# Altium PCB ControlBoard.PcbDoc (part 1 of 3) (continued)
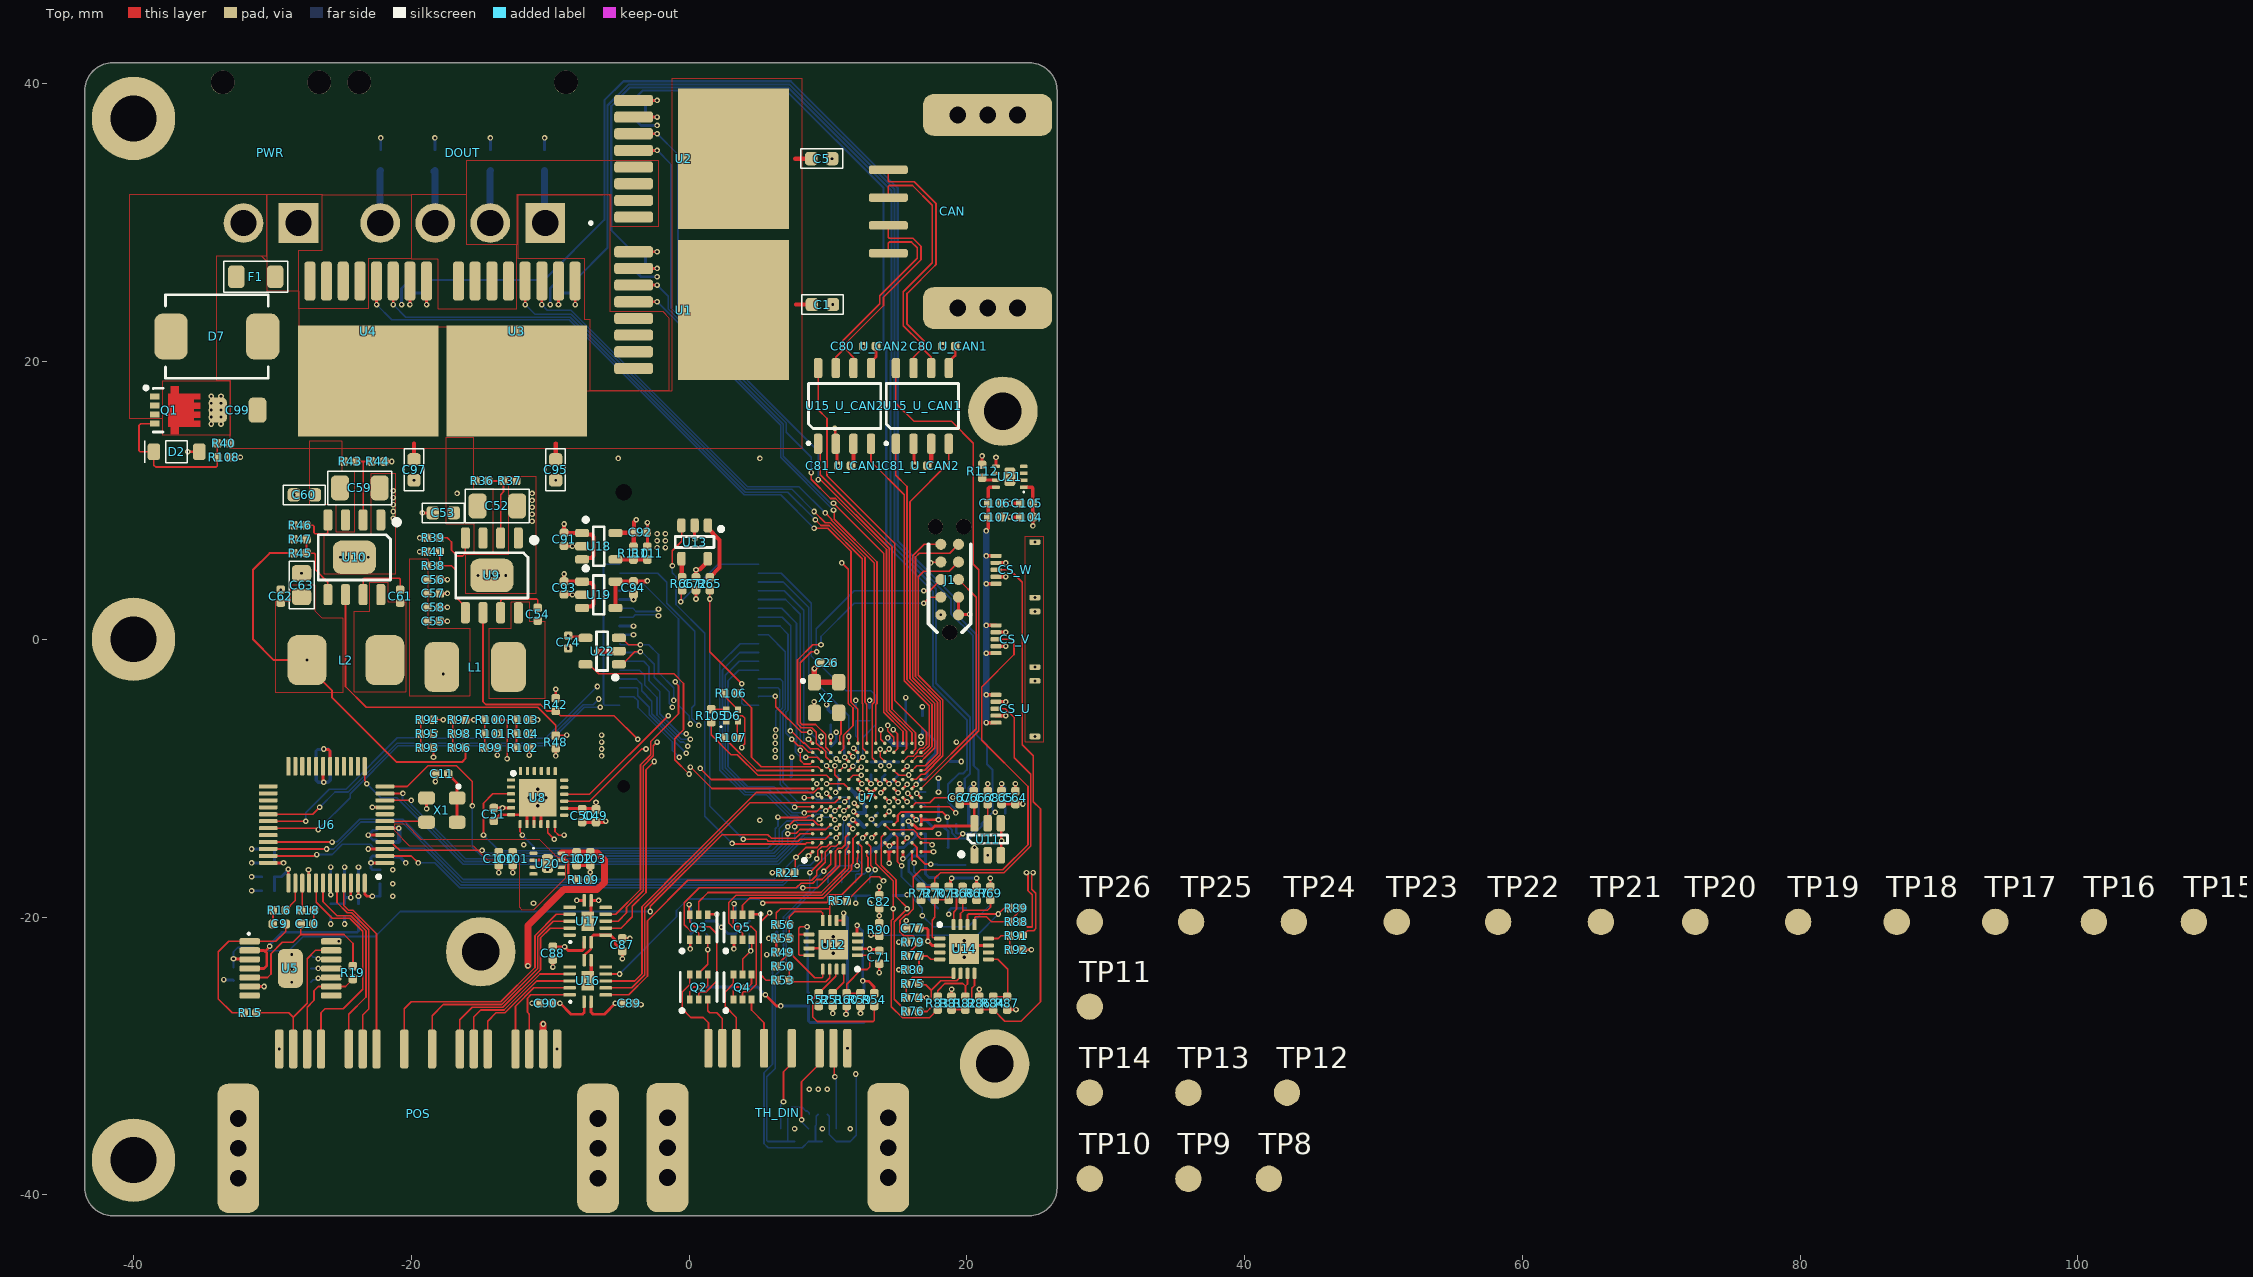
[diagram p0: Top view]
## Components (designator, comment, footprint, x,y, rotation, side; value= is the part's Value field where it differs from the comment) (continued)
PWR "DF63-2P-3.96DS" HRS_DF63-2P-3.96DS -30.1,35.5 r0 top locked
Q1 "NVTFS5C680NLTAG" WDFN8 -37,16.5 r270 top
Q2 "SI1967DH-T1-E3" SOT-363 0.694,-25.041 r90 top
Q3 "2N7002DWK-7" SOT-363 0.694,-20.741 r90 top
Q4 "SI1967DH-T1-E3" SOT-363 3.844,-25.042 r90 top
Q5 "2N7002DWK-7" SOT-363 3.844,-20.742 r90 top
R1 "30kΩ" R0402 6.6,-35.7 r270 bottom
R2 "30kΩ" R0402 7.6,-35.7 r270 bottom
R3 "30kΩ" R0402 8.6,-35.7 r270 bottom
R4 "30kΩ" R0402 9.6,-35.7 r270 bottom
R5 "30kΩ" R0402 10.6,-35.7 r270 bottom
R6 "30kΩ" R0402 11.6,-35.7 r270 bottom
R7 "1kΩ" R0402 -3.6,27.9 r0 bottom
R8 "2kΩ" R0402 -3.6,26.7 r0 bottom
R9 "1kΩ" R0402 -3.6,38.8 r0 bottom
R10 "2kΩ" R0402 -3.6,37.6 r0 bottom
R11 "1kΩ" R0402 -8.2,25.4 r270 bottom
R12 "2kΩ" R0402 -9.4,25.4 r270 bottom
R13 "1kΩ" R0402 -18.9,25.4 r270 bottom
R14 "2kΩ" R0402 -20.1,25.4 r270 bottom
R15 "1kΩ" R0402 -31.6,-26.9 r180 top
R16 "1kΩ" R0402 -29.5,-19.5 r180 top
R17 "0Ω" R0402 -23.8,-19.5 r270 bottom
R18 "1kΩ" R0402 -27.46,-19.5 r0 top
R19 "1kΩ" R0402 -24.2,-24 r90 top
R20 "10kΩ" R0402 -32.8,-24.1 r90 bottom
R21 "1kΩ" R0402 7.1,-16.8 r0 top
R22 "0Ω" R0402 -30.3,-17.1 r180 bottom
R23 "0Ω" R0402 -30.3,-16.1 r180 bottom
R24 "0Ω" R0402 -21.8,-17.6 r0 bottom
R25 "0Ω" R0402 -21.8,-16.6 r0 bottom
R26 "0Ω" R0402 -30.3,-18.1 r0 bottom
R27 "0Ω" R0402 -30.3,-15.1 r0 bottom
R28 "0Ω" R0402 -21.8,-18.5 r180 bottom
R29 "0Ω" R0402 -21.8,-15.6 r180 bottom
R30 "1kΩ" R0402 17.9,-16.7 r270 bottom
R31 "1kΩ" R0402 17.9,-18.9 r270 bottom
R32 "1kΩ" R0402 18.9,-16.7 r90 bottom
R33 "1kΩ" R0402 18.9,-18.9 r90 bottom
R34 "10kΩ" R0402 12,-5.4 r90 bottom
R35 "10kΩ" R0402 13,-5.4 r270 bottom
R36 "30kΩ" R0402 -14.9,11.4 r180 top
R37 "1kΩ" R0402 -12.9,11.4 r180 top
R38 "100kΩ" R0402 -18.4,5.3 r180 top
R39 "64.9kΩ" R0402 -18.4,7.3 r0 top
R40 "30kΩ" R0402 -33.5,14.1 r0 top
R41 "24.9kΩ" R0402 -18.4,6.3 r0 top
R42 "10kΩ" R0402 -9.6,-4.7 r90 top
R43 "30kΩ" R0402 -24.4,12.8 r180 top
R44 "1kΩ" R0402 -22.4,12.8 r180 top
R45 "100kΩ" R0402 -28,6.2 r180 top
R46 "52.3kΩ" R0402 -28,8.2 r0 top
R47 "9.1kΩ" R0402 -28,7.2 r0 top
R48 "10kΩ" R0402 -9.6,-7.4 r270 top
R49 "1kΩ" R0402 6.744,-22.542 r0 top
R50 "10kΩ" R0402 6.744,-23.542 r180 top
R51 "2kΩ" R0402 10.344,-25.942 r90 top
R52 "10kΩ" R0402 9.344,-25.942 r90 top
R53 "10kΩ" R0402 6.744,-24.542 r0 top
R54 "10kΩ" R0402 13.336,-25.942 r270 top
R55 "10kΩ" R0402 6.744,-21.542 r180 top
R56 "10kΩ" R0402 6.744,-20.542 r0 top
R57 "10kΩ" R0402 10.904,-18.842 r180 top
R58 "100kΩ" R0402 8.6,-25.9 r90 bottom
R59 "2kΩ" R0402 12.344,-25.942 r90 top
R60 "10kΩ" R0402 11.344,-25.942 r270 top
R61 "10kΩ" R0402 0.144,-20.742 r270 bottom
R62 "10kΩ" R0402 1.244,-20.742 r90 bottom
R63 "10kΩ" R0402 3.344,-20.742 r270 bottom
R64 "10kΩ" R0402 4.344,-20.742 r90 bottom
R65 "1kΩ" R0402 1.5,4 r270 top
R66 "1kΩ" R0402 -0.5,4 r270 top
R67 "10kΩ" R0402 20.7,-18.3 r270 top
R68 "10kΩ" R0402 19.7,-18.3 r270 top
R69 "1kΩ" R0402 21.7,-18.3 r90 top
R70 "20kΩ" R0402 17.7,-18.3 r270 top
R72 "100kΩ" R0402 16.7,-18.3 r90 top
R73 "30kΩ" R0402 18.7,-18.3 r270 top
R74 "10kΩ" R0402 16.1,-25.8 r180 top
R75 "10kΩ" R0402 16.1,-24.8 r0 top
R76 "1kΩ" R0402 16.1,-26.8 r180 top
R77 "20kΩ" R0402 16.1,-22.8 r0 top
R79 "100kΩ" R0402 16.1,-21.8 r0 top
R80 "30kΩ" R0402 16.1,-23.8 r0 top
R81 "10kΩ" R0402 18.9,-26.2 r270 top
R82 "10kΩ" R0402 19.9,-26.2 r90 top
R83 "1kΩ" R0402 17.9,-26.2 r270 top
R84 "20kΩ" R0402 21.9,-26.2 r90 top
R86 "100kΩ" R0402 20.9,-26.2 r270 top
R87 "30kΩ" R0402 22.9,-26.2 r90 top
R88 "1kΩ" R0402 23.55,-20.35 r180 top
R89 "2kΩ" R0402 23.55,-19.35 r180 top
R90 "1kΩ" R0402 13.7,-20.9 r90 top
R91 "1kΩ" R0402 23.55,-21.35 r180 top
R92 "2kΩ" R0402 23.55,-22.35 r180 top
R93 "47kΩ" R0402 -18.86,-7.8 r180 top
R94 "10kΩ" R0402 -18.86,-5.8 r0 top
R95 "2kΩ" R0402 -18.86,-6.8 r180 top
R96 "20kΩ" R0402 -16.56,-7.8 r180 top
R97 "10kΩ" R0402 -16.56,-5.8 r0 top
R98 "2kΩ" R0402 -16.56,-6.8 r180 top
R99 "20kΩ" R0402 -14.26,-7.8 r180 top
R100 "10kΩ" R0402 -14.26,-5.8 r0 top
R101 "30kΩ" R0402 -14.26,-6.8 r180 top
R102 "10kΩ" R0402 -11.96,-7.8 r180 top
R103 "10kΩ" R0402 -11.96,-5.8 r0 top
R104 "10kΩ" R0402 -11.96,-6.8 r180 top
R105 "680Ω" R0402 1.6,-5.5 r90 top
R106 "300Ω" R0402 3,-3.9 r180 top
R107 "300Ω" R0402 3,-7.1 r0 top
R108 "30kΩ" R0402 -33.5,13.1 r180 top
R109 "7.5kΩ" R0402 -7.6,-17.3 r180 top
R110 "52.3kΩ" R0402 -4,6.2 r90 top
R111 "30kΩ" R0402 -3,6.2 r90 top
R112 "7.5kΩ" R0402 21.1,12.1 r270 top
TH_DIN "ZE05-8DP-2H" ZE05-8DP-2H 6.4,-36.6 r0 top locked
TP1 "TP_SMT" TP_SMT 33.047,-27.154 r270 bottom
TP2 "TP_SMT" TP_SMT -3.6,-30.1 r180 bottom
TP3 "TP_SMT" TP_SMT 33.047,-15.454 r180 bottom
TP4 "TP_SMT" TP_SMT 33.047,-9.654 r180 bottom
TP5 "TP_SMT" TP_SMT 33.047,-3.754 r180 bottom
TP6 "TP_SMT" TP_SMT 17.6,-30 r180 bottom
TP7 "TP_SMT" TP_SMT 11,5.5 r90 bottom
TP8 "TP_SMT" TP_SMT 41.754,-38.847 r90 top
TP9 "TP_SMT" TP_SMT 35.954,-38.847 r90 top
TP10 "TP_SMT" TP_SMT 28.854,-38.847 r90 top
TP11 "TP_SMT" TP_SMT 28.854,-26.447 r90 top
TP12 "TP_SMT" TP_SMT 43.054,-32.647 r90 top
TP13 "TP_SMT" TP_SMT 35.954,-32.647 r90 top
TP14 "TP_SMT" TP_SMT 28.854,-32.647 r90 top
TP15 "TP_SMT" TP_SMT 108.354,-20.347 r90 top
TP16 "TP_SMT" TP_SMT 101.154,-20.347 r90 top
TP17 "TP_SMT" TP_SMT 94.054,-20.347 r90 top
TP18 "TP_SMT" TP_SMT 86.954,-20.347 r90 top
TP19 "TP_SMT" TP_SMT 79.854,-20.347 r90 top
TP20 "TP_SMT" TP_SMT 72.454,-20.347 r90 top
TP21 "TP_SMT" TP_SMT 65.654,-20.347 r90 top
TP22 "TP_SMT" TP_SMT 58.254,-20.347 r90 top
TP23 "TP_SMT" TP_SMT 50.954,-20.347 r90 top
TP24 "TP_SMT" TP_SMT 43.554,-20.347 r90 top
TP25 "TP_SMT" TP_SMT 36.154,-20.347 r90 top
TP26 "TP_SMT" TP_SMT 28.854,-20.347 r90 top
U1 "BTH500601LUAAUMA1" PG-HSOF-8-1 1.3,23.7 r270 top
U2 "BTH500601LUAAUMA1" PG-HSOF-8-1 1.3,34.6 r270 top
U3 "BTH500601LUAAUMA1" PG-HSOF-8-1 -12.4,20.5 r180 top
U4 "BTH500601LUAAUMA1" PG-HSOF-8-1 -23.1,20.5 r180 top
U5 "ALM2402FQPWPRQ1" TSSOP-14-EP -28.7,-23.7 r0 top
U6 "AD2S1210SSTZ-EPRL7" LQFP48 -26.1,-13.35 r180 top locked
U7 "F28P650DK6NMRR" NFBGA169 12.803,-11.413 r90 top locked
U8 "AIS328DQTR" VQFN24 -10.9,-11.4 r0 top
U9 "LMR38020FSQDDARQ1" SOIC8_PAD -14.2,4.6 r270 top
U10 "LMR38020FSQDDARQ1" SOIC8_PAD -24.1,5.9 r270 top
U11 "REF35330QDBVR" SOT-23-6 21.5,-14.4 r90 top
U12 "TSZ124IQ4T" VQFN16 10.379,-22.005 r180 top
U13 "STWD100YNYWY3F" SOT-23-5 0.4,7 r270 top
U14 "TSZ124IQ4T" VQFN16 19.8,-22.3 r0 top
U15_U_CAN1 "NCV7342D13R2G" SOIC8 16.8,16.8 r90 top (schematic designator U15)
U15_U_CAN2 "NCV7342D13R2G" SOIC8 11.2,16.8 r90 top (schematic designator U15)
U16 "NXB0104BQ-Q100X" DHVQFN14 -7.3,-24.6 r90 top
U17 "NXB0104BQ-Q100X" DHVQFN14 -7.3,-20.3 r90 top
U18 "TPS73601QDBVRQ1" SOT-23-5 -6.5,6.7 r0 top
U19 "TPS73601QDBVRQ1" SOT-23-5 -6.5,3.2 r0 top
U20 "LS0505EVD22" DFN2x2_8L -10.2,-16.15 r0 top
U21 "LS0505EVD22" DFN2x2_8L 23.1,11.7 r180 top
U22 "24FC16T-E/OT36KVAO" SOT-23-5 -6.254,-0.853 r180 top
X1 "MC3225Z8.00000C19XSH" MC3225Z -17.8,-12.3 r180 top
X2 "MC3225Z8.00000C19XSH" MC3225Z 9.9,-4.2 r270 top

## Footprints (in the part's own frame and the unit in brackets; to place one, negate y for a bottom-side part, rotate by r counter-clockwise, add the part's x,y. Pads: shape width x height; smd on the part's side, far side on the other; paste and mask are expansions set on the pad)
C0402 [mm] "Chip Capacitor, 2-Leads, Body 1.00x0.50mm, IPC Medium Density"
  rrect50% 0.62x0.62 smd: 1(-0.46,0) 2(0.46,0)
  body extent -0.53,-0.28 0.53,0.28, height 0.55
C0603 [mm] "Chip Capacitor, 2-Leads, Body 1.75x0.95mm"
  rrect50% 0.9x0.95 smd: 1(-0.75,0) 2(0.75,0)
  silkscreen extent -1.5,-0.7 1.5,0.7, body extent -0.8,-0.4 0.8,0.4, height 0.8
C0805 [mm] "Chip Capacitor, 2-Leads, Body 2.00x1.25mm, IPC Medium Density"
  rrect50% 1.2x1.4 smd: 1(-0.85,0) 2(0.85,0)
  silkscreen extent -1.7,-0.9 1.7,0.9, body extent -1,-0.64 1,0.61, height 0.7
C1206 [mm] "Chip Capacitor, 2-Leads, Body 3.20x1.60mm, IPC Medium Density"
  rrect50% 1.3x1.8 smd: 1(-1.425,0) 2(1.425,0)
  silkscreen extent -2.3,-1.2 2.3,1.2, body extent -1.6,-0.8 1.6,0.8, height 0.75
DFN2x2_8L [mm] "2x2mm"
  rrect50% 0.55x0.25 smd: 1(-1,0.75) 2(-1,0.25) 3(-1,-0.25) 4(-1,-0.75) 5(1,-0.75) 6(1,-0.25) 7(1,0.25) 8(1,0.75)
  rrect50% 0.8x1.35 smd: EP(0,0)
  silkscreen extent -1.02,1.08 -0.98,1.12, body extent -1,-1 1,1, height 0.75
DHVQFN14 [mm] "plastic, leadless dual in-line compatible thermal enhanced / very thin quad flat package; 14 terminals; 0.5 mm pitch; 2.5x3x1 mm body"
  rrect50% 0.9x0.24 smd: 1(-1.5,-0.25) 7(1.5,-0.25) 8(1.5,0.25) 14(-1.5,0.25)
  rrect50% 0.24x0.9 smd: 2(-1,-1.3) 3(-0.5,-1.3) 4(0,-1.3) 5(0.5,-1.3) 6(1,-1.3) 9(1,1.3) 10(0.5,1.3) 11(0,1.3) 12(-0.5,1.3) 13(-1,1.3)
  rect 1.4x0.9 smd paste-2539.97: EP(0,0)
  silkscreen extent -1.55,1.2 -1.45,1.3, body extent -1.5,-1.25 1.5,1.25, height 0.85
ETQP4MxxxYFP [mm] "5.5mm x5mm inductor package"
  rrect50% 2.5x3.6 smd: 1(-2.4,0) 2(2.4,0)
  body extent -2.75,-2.5 2.75,2.5, height 4.08
ETQP5MxxxYFM [mm] "7.5mm x7mm inductor package"
  rrect50% 2.8x3.6 smd: 1(-2.8,0) 2(2.8,0)
  body extent -3.79,-3.37 3.78,3.63, height 5.49
FB0603 [mm] "Chip Resistor, 2-Leads, Body 1.75x0.95mm"
  rrect50% 0.95x1 smd: 1(-0.8,0) 2(0.8,0)
  silkscreen extent -1.6,-0.8 1.6,0.8, body extent -0.87,-0.47 0.88,0.48, height 0.55
FH34SRJ-5S-0.5SH(99) [mm]
  rrect50% 0.3x0.8 smd: 1(1,0) 2(0.5,0) 3(0,0) 4(-0.5,0) 5(-1,0)
  rrect50% 0.4x0.8 smd: M1(-2,-2.8) M2(2,-2.8)
  body extent -2.25,-3.3 2.25,0.5, height 1
FUSE1206 [mm]
  rrect50% 1.2x1.65 smd: 1(-1.4,0) 2(1.4,0)
  silkscreen extent -2.3,-1.1 2.3,1.1, body extent -1.6,-0.8 1.6,0.8, height 0.6
HRS_DF63-2P-3.96DS [mm]
  rect 2.85x2.85 hole 1.9: 1(1.98,-5.53)
  round 2.85 hole 1.9: 2(-1.98,-5.53)
  round 1.7 hole 1.7 unplated: ""(-3.48,4.6) ""(3.48,4.6)
  body extent -4.33,-7.1 4.33,7.1, height 9
HRS_DF63-4P-3.96DS [mm]
  rect 2.85x2.85 hole 1.9: 1(5.94,-5.53)
  round 2.85 hole 1.9: 2(1.98,-5.53) 3(-1.98,-5.53) 4(-5.94,-5.53)
  round 1.7 hole 1.7 unplated: ""(-7.44,4.6) ""(7.44,4.6)
  silkscreen extent 9.13,-5.63 9.33,-5.43, body extent -8.29,-7.1 8.29,7.1, height 9
LED_SML-LX0404_LUM [mm]
  rect 0.457x0.457 smd paste-0.229 mask+0: 1(-0.425,0.425) 2(0.425,0.425) 3(0.425,-0.425) 4(-0.425,-0.425)
  silkscreen extent -0.85,0.75 -0.75,0.85, body extent -0.5,-0.5 0.5,0.5, height 0.38
LQFP48 [mm] "48 Pin, Body 7x7x1.4"
  rrect50% 1.35x0.29 smd: 1(-4.2,2.75) 2(-4.2,2.25) 3(-4.2,1.75) 4(-4.2,1.25) 5(-4.2,0.75) 6(-4.2,0.25) 7(-4.2,-0.25) 8(-4.2,-0.75) 9(-4.2,-1.25) 10(-4.2,-1.75) 11(-4.2,-2.25) 12(-4.2,-2.75) 25(4.2,-2.75) 26(4.2,-2.25) 27(4.2,-1.75) 28(4.2,-1.25) 29(4.2,-0.75) 30(4.2,-0.25) 31(4.2,0.25) 32(4.2,0.75) 33(4.2,1.25) 34(4.2,1.75) 35(4.2,2.25) 36(4.2,2.75)
  rrect50% 0.29x1.35 smd: 13(-2.75,-4.2) 14(-2.25,-4.2) 15(-1.75,-4.2) 16(-1.25,-4.2) 17(-0.75,-4.2) 18(-0.25,-4.2) 19(0.25,-4.2) 20(0.75,-4.2) 21(1.25,-4.2) 22(1.75,-4.2) 23(2.25,-4.2) 24(2.75,-4.2) 37(2.75,4.2) 38(2.25,4.2) 39(1.75,4.2) 40(1.25,4.2) 41(0.75,4.2) 42(0.25,4.2) 43(-0.25,4.2) 44(-0.75,4.2) 45(-1.25,4.2) 46(-1.75,4.2) 47(-2.25,4.2) 48(-2.75,4.2)
  silkscreen extent -3.88,3.63 -3.63,3.87, body extent -4.51,-4.51 4.51,4.51, height 1.5
MA01F060VAABR500 [mm]
  round 0 hole 0.9 unplated: 0(4.7,-10.597)
  round 0 hole 1.2 unplated: 0(4.7,10.597)
  rrect50% 1.8x0.35 smd mask+0.05: 1(-5,-9.207) 2(-5,-8.572) 3(-5,-7.938) 4(-5,-7.302) 5(-5,-6.667) 6(-5,-6.032) 7(-5,-5.397) 8(-5,-4.762) 9(-5,-4.127) 10(-5,-3.492) 11(-5,-2.857) 12(-5,-2.222) 13(-5,-1.587) 14(-5,-0.952) 15(-5,-0.317) 16(-5,0.318) 17(-5,0.953) 18(-5,1.588) 19(-5,2.223) 20(-5,2.858) 21(-5,3.493) 22(-5,4.128) 23(-5,4.763) 24(-5,5.398) 25(-5,6.033) 26(-5,6.667) 27(-5,7.302) 28(-5,7.938) 29(-5,8.572) 30(-5,9.207) 31(5,-9.207) 32(5,-8.572) 33(5,-7.938) 34(5,-7.302) 35(5,-6.667) 36(5,-6.033) 37(5,-5.398) 38(5,-4.763) 39(5,-4.128) 40(5,-3.493) 41(5,-2.858) 42(5,-2.223) 43(5,-1.588) 44(5,-0.953) 45(5,-0.318) 46(5,0.317) 47(5,0.952) 48(5,1.587) 49(5,2.222) 50(5,2.857) 51(5,3.492) 52(5,4.127) 53(5,4.762) 54(5,5.397) 55(5,6.032) 56(5,6.667) 57(5,7.302) 58(5,7.938) 59(5,8.572) 60(5,9.207)
  rect 1.6x2.6 smd mask+0.05: M1(5.1,13.025) M2(-5.1,13.025) M3(5.1,-13.025) M4(-5.1,-13.025)
  silkscreen extent -5.94,-9.88 -5.74,-9.68, body extent -5.61,-15.22 5.61,15.22, height 6.3
MC3225Z [mm] "0.126\" L x 0.098\" W (3.20mm x 2.50mm)"
  rrect50% 1.2x0.95 smd: 1(-1.1,-0.875) 2(1.1,-0.875) 3(1.1,0.875) 4(-1.1,0.875)
  silkscreen extent -1.3,-1.8 -1.1,-1.6, body extent -1.56,-1.25 1.64,1.25, height 0.74
NFBGA169 [mm] "9x9mm"
  round 0.25 smd: A1(-3.887,3.903) A2(-3.237,3.903) A3(-2.587,3.903) A4(-1.937,3.903) A5(-1.287,3.903) A6(-0.637,3.903) A7(0.013,3.903) A8(0.663,3.903) A9(1.313,3.903) A10(1.963,3.903) A11(2.613,3.903) A12(3.263,3.903) A13(3.913,3.903) B1(-3.887,3.253) B2(-3.237,3.253) B3(-2.587,3.253) B4(-1.937,3.253) B5(-1.287,3.253) B6(-0.637,3.253) B7(0.013,3.253) B8(0.663,3.253) B9(1.313,3.253) B10(1.963,3.253) B11(2.613,3.253) B12(3.263,3.253) B13(3.913,3.253) C1(-3.887,2.603) C2(-3.237,2.603) C3(-2.587,2.603) C4(-1.937,2.603) C5(-1.287,2.603) C6(-0.637,2.603) C7(0.013,2.603) C8(0.663,2.603) C9(1.313,2.603) C10(1.963,2.603) C11(2.613,2.603) C12(3.263,2.603) C13(3.913,2.603) D1(-3.887,1.953) D2(-3.237,1.953) D3(-2.587,1.953) D4(-1.937,1.953) D5(-1.287,1.953) D6(-0.637,1.953) D7(0.013,1.953) D8(0.663,1.953) D9(1.313,1.953) D10(1.963,1.953) D11(2.613,1.953) D12(3.263,1.953) D13(3.913,1.953) E1(-3.887,1.303) E2(-3.237,1.303) E3(-2.587,1.303) E4(-1.937,1.303) E5(-1.287,1.303) E6(-0.637,1.303) E7(0.013,1.303) E8(0.663,1.303) E9(1.313,1.303) E10(1.963,1.303) E11(2.613,1.303) E12(3.263,1.303) E13(3.913,1.303) F1(-3.887,0.653) F2(-3.237,0.653) F3(-2.587,0.653) F4(-1.937,0.653) F5(-1.287,0.653) F6(-0.637,0.653) F7(0.013,0.653) F8(0.663,0.653) F9(1.313,0.653) F10(1.963,0.653) F11(2.613,0.653) F12(3.263,0.653) F13(3.913,0.653) G1(-3.887,0.003) G2(-3.237,0.003) G3(-2.587,0.003) G4(-1.937,0.003) G5(-1.287,0.003) G6(-0.637,0.003) G7(0.013,0.003) G8(0.663,0.003) G9(1.313,0.003) G10(1.963,0.003) G11(2.613,0.003) G12(3.263,0.003) G13(3.913,0.003) H1(-3.887,-0.647) H2(-3.237,-0.647) H3(-2.587,-0.647) H4(-1.937,-0.647) H5(-1.287,-0.647) H6(-0.637,-0.647) H7(0.013,-0.647) H8(0.663,-0.647) H9(1.313,-0.647) H10(1.963,-0.647) H11(2.613,-0.647) H12(3.263,-0.647) H13(3.913,-0.647) J1(-3.887,-1.297) J2(-3.237,-1.297) J3(-2.587,-1.297) J4(-1.937,-1.297) J5(-1.287,-1.297) J6(-0.637,-1.297) J7(0.013,-1.297) J8(0.663,-1.297) J9(1.313,-1.297) J10(1.963,-1.297) J11(2.613,-1.297) J12(3.263,-1.297) J13(3.913,-1.297) K1(-3.887,-1.947) K2(-3.237,-1.947) K3(-2.587,-1.947) K4(-1.937,-1.947) K5(-1.287,-1.947) K6(-0.637,-1.947) K7(0.013,-1.947) K8(0.663,-1.947) K9(1.313,-1.947) K10(1.963,-1.947) K11(2.613,-1.947) K12(3.263,-1.947) K13(3.913,-1.947) L1(-3.887,-2.597) L2(-3.237,-2.597) L3(-2.587,-2.597) L4(-1.937,-2.597) L5(-1.287,-2.597) L6(-0.637,-2.597) L7(0.013,-2.597) L8(0.663,-2.597) L9(1.313,-2.597) L10(1.963,-2.597) L11(2.613,-2.597) L12(3.263,-2.597) L13(3.913,-2.597) M1(-3.887,-3.247) M2(-3.237,-3.247) M3(-2.587,-3.247) M4(-1.937,-3.247) M5(-1.287,-3.247) M6(-0.637,-3.247) M7(0.013,-3.247) M8(0.663,-3.247) M9(1.313,-3.247) M10(1.963,-3.247) M11(2.613,-3.247) M12(3.263,-3.247) M13(3.913,-3.247) N1(-3.887,-3.897) N2(-3.237,-3.897) N3(-2.587,-3.897) N4(-1.937,-3.897) N5(-1.287,-3.897) N6(-0.637,-3.897) N7(0.013,-3.897) N8(0.663,-3.897) N9(1.313,-3.897) N10(1.963,-3.897) N11(2.613,-3.897) N12(3.263,-3.897) N13(3.913,-3.897)
  silkscreen extent -4.62,4.38 -4.38,4.62, body extent -4.5,-4.5 4.5,4.5, height 1
PG-HSOF-8-1 [mm] "PG-HSOF-8 (8-pin TO-Leadless) package 10X10mm"
  rrect50% 0.8x2.8 smd: 1(-4.2,-5.29) 2(-3,-5.29) 3(-1.8,-5.29) 4(-0.6,-5.29) 5(0.6,-5.29) 6(1.8,-5.29) 7(3,-5.29) 8(4.2,-5.29)
  rect 10.1x8 smd paste-100: EP(0,1.9)
  body extent -4.95,-5.84 4.95,5.84, height 2.31
R0402 [mm] "Chip Resistor, 2-Leads, Body 1.75x0.95mm"
  rrect50% 0.62x0.62 smd: 1(-0.46,0) 2(0.46,0)
  body extent -0.5,-0.25 0.5,0.25, height 0.3
SMCJ_UNIPOLAR [mm] "DO-214AB, SMC"
  rrect50% 2.4x3.3 smd: 1(-3.3,0) 2(3.3,0)
  silkscreen extent -3.7,-3 3.7,3, body extent -3.75,-2.98 3.75,2.98, height 2.31
SOD323 [mm] "2.4x1.2mm"
  rrect50% 0.63x0.83 smd: 1(1.1,0) 2(-1.1,0)
  silkscreen extent -1.6,-0.3 -1.6,0.3, body extent -1.25,-0.65 1.25,0.6, height 1
SOD-123 [mm] "SOD, 2-Leads, Body 2.69x1.6mm"
  rrect50% 0.91x1.22 smd: 1(1.635,0) 2(-1.635,0)
  silkscreen extent -2.3,-0.8 0.78,0.8, body extent -1.35,-0.8 1.35,0.8, height 1.35
SOIC8 [mm] "8-SOIC (0.154\", 3.90mm Width)"
  rrect50% 1.45x0.6 smd: 1(-2.725,1.905) 2(-2.725,0.635) 3(-2.725,-0.635) 4(-2.725,-1.905) 5(2.725,-1.905) 6(2.725,-0.635) 7(2.725,0.635) 8(2.725,1.905)
  silkscreen extent -2.8,-2.6 1.63,2.7, body extent -2.97,-2.45 3.02,2.45, height 1.55
SOIC8_PAD [mm] "8-SOIC with exposed pad (0.154\", 3.90mm Width)"
  rrect50% 1.525x0.65 smd: 1(-2.688,1.905) 2(-2.688,0.635) 3(-2.688,-0.635) 4(-2.688,-1.905) 5(2.688,-1.905) 6(2.688,-0.635) 7(2.688,0.635) 8(2.688,1.905)
  rrect50% 2.4x3.1 smd: EP(0,0)
  silkscreen extent -2.66,-2.6 1.63,3.17, body extent -3,-2.45 3,2.45, height 1.63
SOT-23-5 [mm] "5-Pin, Small Outline Transistor  Plastic Package (SOT23)"
  rrect50% 1x0.6 smd: 1(-1.2,0.95) 2(-1.2,0) 3(-1.2,-0.95) 4(1.2,-0.95) 5(1.2,0.95)
  silkscreen extent -0.99,-1.4 0.4,1.95, body extent -1.25,-1.5 1.25,1.5, height 1.05
SOT-23-6 [mm] "SOT-23, 5-Leads, Body 2.8x1.5mm"
  rrect50% 1.2x0.6 smd: 1(-1.15,0.95) 2(-1.15,0) 3(-1.15,-0.95) 4(1.15,-0.95) 5(1.15,0) 6(1.15,0.95)
  silkscreen extent -1.14,-1.43 0.3,1.95, body extent -1.45,-1.45 1.35,1.45, height 1.18
SOT-363 [mm] "6 pin, 2x2.1mm"
  rect 0.6x0.412 smd: 1(-0.901,0.65) 2(-0.901,0) 3(-0.901,-0.65) 4(0.901,-0.65) 5(0.901,0) 6(0.901,0.65)
  silkscreen extent -1.82,-1.33 1.05,1.33, body extent -1.05,-1.07 1.05,1.07, height 1.1
TC2050-IDC-NL [mm]
  round 0.8 smd paste-2539.97: 1(1.27,-0.635) 2(2.54,-0.635) 3(3.81,-0.635) 4(5.08,-0.635) 5(6.35,-0.635) 6(6.35,0.635) 7(5.08,0.635) 8(3.81,0.635) 9(2.54,0.635) 10(1.27,0.635)
  round 1.1 hole 1.1 unplated: M1(0,0) M2(7.62,1.016) M3(7.62,-1.016)
  silkscreen extent 0,-1.52 6.35,1.52
TP_SMT [mm] "Test Point, Surface Mounting, Circular, Pad diameter 1mm"
  round 1.9 smd: 1(0,0)
TSSOP-14-EP [mm] "14-TSSOP (0.173\", 4.40mm Width)"
  rrect50% 1.475x0.45 smd mask+0.05: 1(-2.938,1.95) 2(-2.938,1.3) 3(-2.938,0.65) 4(-2.938,0) 5(-2.938,-0.65) 6(-2.938,-1.3) 7(-2.938,-1.95) 8(2.938,-1.95) 9(2.938,-1.3) 10(2.938,-0.65) 11(2.938,0) 12(2.938,0.65) 13(2.938,1.3) 14(2.938,1.95)
  rrect50% 1.8x2.8 smd mask+0.05: EP(0,0)
  silkscreen extent -3.05,2.45 -2.95,2.55, body extent -3.2,-2.5 3.2,2.5, height 1.2
VQFN16 [mm] "VQFN, 16-Leads, Body 3.5x3.5mm"
  rrect50% 0.8x0.28 smd: 1(-1.75,0.75) 2(-1.75,0.25) 3(-1.75,-0.25) 4(-1.75,-0.75) 9(1.75,-0.75) 10(1.75,-0.25) 11(1.75,0.25) 12(1.75,0.75)
  rrect50% 0.28x0.8 smd: 5(-0.75,-1.75) 6(-0.25,-1.75) 7(0.25,-1.75) 8(0.75,-1.75) 13(0.75,1.75) 14(0.25,1.75) 15(-0.25,1.75) 16(-0.75,1.75)
  rect 2.14x2.14 smd: EP(0,0)
  silkscreen extent -1.88,1.63 -1.63,1.87, body extent -1.8,-1.8 1.8,1.8, height 1
VQFN24 [mm] "VQFN, 16-Leads, Body 4x4mm"
  rrect50% 0.58x0.24 smd: 1(-1.913,1.266) 2(-1.913,0.766) 3(-1.913,0.266) 4(-1.913,-0.234) 5(-1.913,-0.734) 6(-1.913,-1.234) 13(1.913,-1.266) 14(1.913,-0.766) 15(1.913,-0.266) 16(1.913,0.234) 17(1.913,0.734) 18(1.913,1.25)
  rrect50% 0.24x0.58 smd: 7(-1.266,-1.913) 8(-0.766,-1.913) 9(-0.266,-1.913) 10(0.234,-1.913) 11(0.734,-1.913) 12(1.25,-1.913) 19(1.266,1.913) 20(0.766,1.913) 21(0.266,1.913) 22(-0.234,1.913) 23(-0.734,1.913) 24(-1.234,1.913)
  rect 2.7x2.7 smd: EP(0,0)
  silkscreen extent -1.87,1.63 -1.62,1.87, body extent -2.07,-2.07 2.07,2.07, height 0.9
WDFN8 [mm] "WDFN8 3.3x3.3mm"
  rect 0.42x0.66 smd paste+0 mask+0: 1(-0.975,-1.47) 2(-0.325,-1.47) 3(0.325,-1.47) 4(0.975,-1.47)
  round 0.025 smd: 5-8(0,0.65)
  Top region: -1.73,-0.32 -1.185,-0.32 -1.185,-0.5 1.185,-0.5 1.185,-0.32 1.73,-0.32 1.73,0.25 1.185,0.25 1.185,1.8 0.765,1.8 0.765,1.33 0.535,1.33 0.535,1.8 0.115,1.8 0.115,1.33 -0.115,1.33 -0.115,1.8 -0.535,1.8 -0.535,1.33 -0.765,1.33 -0.765,1.8 -1.185,1.8 -1.185,0.25 -1.73,0.25 -1.73,-0.32
  silkscreen extent -1.72,-2.22 1.58,-0.88, body extent -1.65,-1.65 1.65,1.65, height 0.85
ZE05-4P-2H [mm]
  rrect50% 0.6x2.8 smd: 1(3,7.15) 2(1,7.15) 3(-1,7.15) 4(-3,7.15)
  rrect50% 3x5 hole 1.2: M1(-6.95,2.15) M2(6.95,2.15) M3(-6.95,0) M4(6.95,0) M5(-6.95,-2.15) M6(6.95,-2.15)
  body extent -8.16,-6.6 8.16,8.2, height 8.36
ZE05-8DP-2H [mm]
  rrect50% 0.6x2.8 smd: 1(-4,7.15) 2(4,7.15) 3(-5,7.15) 4(-3,7.15) 5(-1,7.15) 6(1,7.15) 7(3,7.15) 8(5,7.15)
  rrect50% 3x5 hole 1.2: M1(-7.95,2.15) M2(7.95,2.15) M3(-7.95,0) M4(7.95,0) M5(-7.95,-2.15) M6(7.95,-2.15)
  body extent -9.26,-6.6 9.26,8.2, height 8.84
ZE05-16DP-2H [mm]
  rrect50% 0.6x2.8 smd: 1(10,7.15) 2(8,7.15) 3(4,7.15) 4(-4,7.15) 5(-8,7.15) 6(-10,7.15) 7(9,7.15) 8(7,7.15) 9(5,7.15) 10(3,7.15) 11(1,7.15) 12(-1,7.15) 13(-3,7.15) 14(-5,7.15) 15(-7,7.15) 16(-9,7.15)
  rrect50% 3x5 hole 1.2: M1(-12.95,2.15) M2(12.95,2.15) M3(-12.95,0) M4(12.95,0) M5(-12.95,-2.15) M6(12.95,-2.15)
  body extent -14.26,-6.5 14.26,8.3, height 8.89

## Part data
C1 C3 C5 C7 C53 C60 C95 C96 C97 C98: library part CAP0603-0.1uF-100V, "CAP CER 0.1UF 100V X7R 0603", Case Code (Imperial)=0603, Case Code (Metric)=1608, Dielectric=X7R, Manufacturer=Yageo, Manufacturer Part Number=CC0603KRX7R0BB104, Max Operating Temperature=125°C, Min Operating Temperature=-55°C, Package Quantity=4000, Supplier Part Number=311-1523-1-ND, Tolerance=10%, Voltage Rating=100V, Capacitance=100nF, Case/Package=0603, Category="Ceramic Capacitors", ComponentLink1Description=https://datasheet.ciiva.com/6277/mlccorderingcode-6277082.pdf?src-supplier=Digikey, ComponentLink1URL=https://datasheet.ciiva.com/6277/mlccorderingcode-6277082.pdf?src-supplier=Digikey, ComponentLink2Description=https://datasheet.ciiva.com/6277/mlccorderingcode-6277081.pdf?src-supplier=Digikey, ComponentLink2URL=https://datasheet.ciiva.com/6277/mlccorderingcode-6277081.pdf?src-supplier=Digikey, ComponentLink3Description=https://datasheet.ciiva.com/6277/mlccorderingcode-6277030.pdf?src-supplier=Digikey, ComponentLink3URL=https://datasheet.ciiva.com/6277/mlccorderingcode-6277030.pdf?src-supplier=Digikey, Height=900um, Lead Free=5697LeadFree, Length=0.063inch, Material=4241ConductorMaterial, Mounting Technology="Surface Mount", Packaging="Tape and Reel", Pricing="1=0,14, 10=0,079, 100=0,0484, 1000=0,0325 (USD)", RoHS=Yes, RoHS Compliant=Yes, Series=CC, Stock=3495882, Supplier=Digikey, Supplier 1=Digikey, Supplier Part Number 1=311-1523-1-ND, Termination=SMD/SMT, Thickness=0.035inch, Voltage Rating (DC)=100V, Weight=7.1E-05oz, Width=0.031inch
C2 C4 C6 C8 C9 C10 C11 C12 C13 C15 C18 C19 C23 C26 C27 C29 C30 C31 C32 C33 C34 C35 C36 C37 C39 C40 C41 C42 C45 C46 C48 C50 C51 C54 C61 C69 C70 C71 C72 C74 C77 C80_U_CAN1 C80_U_CAN2 C81_U_CAN1 C81_U_CAN2 C87 C88 C89 C90 C91 C92 C93 C94 C101 C102 C105 C106: library part CAP0402-0.1uF-50V, "CAP CER 0.1UF 50V X7R 0402", Case Code (Imperial)=0402, Case Code (Metric)=1005, Dielectric=1511DielectricType, Manufacturer="Walsin Technologies", Manufacturer Part Number=0402B104K500CT, Max Operating Temperature=125°C, Min Operating Temperature=-55°C, Supplier Part Number=1292-1176-1-ND, Tolerance=10%, Voltage Rating=50V, Capacitance=100nF, Case/Package=0402, Category="Ceramic Capacitors", ComponentLink1Description=http://datasheet.octopart.com/0402B104K500CT-Walsin-Technologies-datasheet-26371553.pdf?src-supplier=Arrow+Electronics, ComponentLink1URL=http://datasheet.octopart.com/0402B104K500CT-Walsin-Technologies-datasheet-26371553.pdf?src-supplier=Arrow+Electronics, ComponentLink2Description=http://datasheet.octopart.com/0402B104K500CT-Walsin-Technologies-datasheet-26371553.pdf?src-supplier=Verical, ComponentLink2URL=http://datasheet.octopart.com/0402B104K500CT-Walsin-Technologies-datasheet-26371553.pdf?src-supplier=Verical, ComponentLink3Description=http://www.passivecomponent.com/indexsea/0402B104K500CT-IE.pdf?src-supplier=Digikey, ComponentLink3URL=http://www.passivecomponent.com/indexsea/0402B104K500CT-IE.pdf?src-supplier=Digikey, ComponentLink4Description=http://datasheet.octopart.com/0402B104K500CT-Walsin-Technologies-datasheet-26371553.pdf?src-supplier=Rs, ComponentLink4URL=http://datasheet.octopart.com/0402B104K500CT-Walsin-Technologies-datasheet-26371553.pdf?src-supplier=Rs, ComponentLink5Description=https://datasheet.octopart.com/0402B104K500CT-Walsin-Technologies-datasheet-128065749.pdf?src-supplier=Future+Electronics, ComponentLink5URL=https://datasheet.octopart.com/0402B104K500CT-Walsin-Technologies-datasheet-128065749.pdf?src-supplier=Future+Electronics, ComponentLink6Description=http://datasheet.octopart.com/0402B104K500CT-Walsin-Technologies-datasheet-26371553.pdf?src-supplier=Farnell, ComponentLink6URL=http://datasheet.octopart.com/0402B104K500CT-Walsin-Technologies-datasheet-26371553.pdf?src-supplier=Farnell, ComponentLink7Description=http://datasheet.octopart.com/0402B104K500CT-Walsin-Technologies-datasheet-26371553.pdf?src-supplier=Newark, ComponentLink7URL=http://datasheet.octopart.com/0402B104K500CT-Walsin-Technologies-datasheet-26371553.pdf?src-supplier=Newark, ComponentLink8Description=http://datasheet.octopart.com/0402B104K500CT-Walsin-Technologies-datasheet-26371553.pdf?src-supplier=Mouser, ComponentLink8URL=http://datasheet.octopart.com/0402B104K500CT-Walsin-Technologies-datasheet-26371553.pdf?src-supplier=Mouser, ComponentLink9Description=http://datasheet.octopart.com/0402B104K500CT-Walsin-Technologies-datasheet-26371553.pdf?src-supplier=Digikey, ComponentLink9URL=http://datasheet.octopart.com/0402B104K500CT-Walsin-Technologies-datasheet-26371553.pdf?src-supplier=Digikey, ComponentLink10Description=https://datasheet.octopart.com/0402B104K500CT-Walsin-Technologies-datasheet-62066062.pdf?src-supplier=TME, ComponentLink10URL=https://datasheet.octopart.com/0402B104K500CT-Walsin-Technologies-datasheet-62066062.pdf?src-supplier=TME, ComponentLink11Description=http://datasheet.octopart.com/0402B104K500CT-Walsin-Technologies-datasheet-26371553.pdf?src-supplier=Freelance+Electronics, ComponentLink11URL=http://datasheet.octopart.com/0402B104K500CT-Walsin-Technologies-datasheet-26371553.pdf?src-supplier=Freelance+Electronics, ComponentLink12Description=http://datasheet.octopart.com/0402B104K500CT-Walsin-Technologies-datasheet-26371553.pdf?src-supplier=Component+Sense, ComponentLink12URL=http://datasheet.octopart.com/0402B104K500CT-Walsin-Technologies-datasheet-26371553.pdf?src-supplier=Component+Sense, ComponentLink13Description=http://datasheet.octopart.com/0402B104K500CT-Walsin-Technologies-datasheet-26371553.pdf?src-supplier=NAC+Semi, ComponentLink13URL=http://datasheet.octopart.com/0402B104K500CT-Walsin-Technologies-datasheet-26371553.pdf?src-supplier=NAC+Semi, ComponentLink14Description=https://datasheet.octopart.com/0402B104K500CT-Walsin-Technologies-datasheet-136037192.pdf?src-supplier=TECHDesign, ComponentLink14URL=https://datasheet.octopart.com/0402B104K500CT-Walsin-Technologies-datasheet-136037192.pdf?src-supplier=TECHDesign, Height=550um, Lead Free=5697LeadFree, Material=4241ConductorMaterial, Mounting Technology="Surface Mount", Packaging="Cut Tape", Pricing="1=0,08, 10=0,005, 100=0,0032, 1000=0,0024 (USD)", RoHS=Yes, RoHS Compliant=Yes, Series=-, Stock=109567, Supplier=Digikey, Supplier 1=Digikey, Supplier Part Number 1=1292-1176-1-ND, Voltage Rating (DC)=50V
C14 C16 C17 C21 C22 C64 C67: library part CAP0402-4.7uF-10V, "Ceramic Capacitor, Ceramic, 10V, 10% +Tol, 10% -Tol, X5R, 15% TC, 4.7uF, Surface Mount, 0402", Case/Package=0402, Dielectric=X5R, Dielectric Material=Ceramic, Manufacturer="Yageo Group", Manufacturer Part Number=CC0402KRX5R6BB475, Max Operating Temperature=85°C, Min Operating Temperature=-55°C, Supplier Part Number=13-CC0402KRX5R6BB475DKR-ND, Temperature Coefficient=30ppm/°C, Voltage Rating=10V, Capacitance=4.7µF, Category="Ceramic Capacitors", China RoHS=Compliant, ComponentLink1Description=https://datasheet.octopart.com:443/CC0402KRX5R6BB475-Yageo-datasheet-170350636.pdf?src-supplier=Future+Electronics, ComponentLink1URL=https://datasheet.octopart.com:443/CC0402KRX5R6BB475-Yageo-datasheet-170350636.pdf?src-supplier=Future+Electronics, ComponentLink2Description=https://datasheet.octopart.com:443/CC0402KRX5R6BB475-Yageo-datasheet-82528541.pdf?src-supplier=Future+Electronics, ComponentLink2URL=https://datasheet.octopart.com:443/CC0402KRX5R6BB475-Yageo-datasheet-82528541.pdf?src-supplier=Future+Electronics, ComponentLink3Description=https://datasheet.octopart.com:443/CC0402KRX5R6BB475-Yageo-datasheet-78855684.pdf?src-supplier=Upverter, ComponentLink3URL=https://datasheet.octopart.com:443/CC0402KRX5R6BB475-Yageo-datasheet-78855684.pdf?src-supplier=Upverter, ComponentLink4Description=https://datasheet.octopart.com:443/CC0402KRX5R6BB475-Yageo-Group-datasheet-189192896.pdf?src-supplier=TME, ComponentLink4URL=https://datasheet.octopart.com:443/CC0402KRX5R6BB475-Yageo-Group-datasheet-189192896.pdf?src-supplier=TME, ComponentLink5Description=https://datasheet.octopart.com:443/CC0402KRX5R6BB475-Yageo-datasheet-182029407.pdf?src-supplier=Newark, ComponentLink5URL=https://datasheet.octopart.com:443/CC0402KRX5R6BB475-Yageo-datasheet-182029407.pdf?src-supplier=Newark, ComponentLink6Description=https://datasheet.octopart.com:443/CC0402KRX5R6BB475-Yageo-datasheet-158238148.pdf?src-supplier=Newark, ComponentLink6URL=https://datasheet.octopart.com:443/CC0402KRX5R6BB475-Yageo-datasheet-158238148.pdf?src-supplier=Newark, ComponentLink7Description=https://datasheet.octopart.com:443/CC0402KRX5R6BB475-Yageo-Group-datasheet-145016144.pdf?src-supplier=ODG+(Origin+Data+Global), ComponentLink7URL=https://datasheet.octopart.com:443/CC0402KRX5R6BB475-Yageo-Group-datasheet-145016144.pdf?src-supplier=ODG+(Origin+Data+Global), ComponentLink8Description=https://datasheet.octopart.com/CC0402KRX5R6BB475-Yageo-datasheet-86397281.pdf, ComponentLink8URL=https://datasheet.octopart.com/CC0402KRX5R6BB475-Yageo-datasheet-86397281.pdf, ComponentLink9Description=http://sigma.octopart.com:80/rohs_statement/Yageo-company-2.pdf?src-supplier=Compliance+Statements, ComponentLink9URL=http://sigma.octopart.com:80/rohs_statement/Yageo-company-2.pdf?src-supplier=Compliance+Statements, ComponentLink10Description=http://sigma.octopart.com:80/conflict_mineral_statement/Yageo-company-3.pdf?src-supplier=Compliance+Statements, ComponentLink10URL=http://sigma.octopart.com:80/conflict_mineral_statement/Yageo-company-3.pdf?src-supplier=Compliance+Statements, Halogen Free="Halogen Free", Height=500µm, Lead Free="Lead Free", Length=1mm, Lifecycle Status=Production, Material=Ceramic, Mounting Technology="Surface Mount", Number of Terminals=2, Pricing="1=0,11, 10=0,063, 50=0,0438, 100=0,038, 500=0,02808, 1000=0,02628, 2500=0,02393, 5000=0,02325 (USD)", REACH SVHC=Yes, RoHS=Compliant, Supplier=DigiKey, Supplier 1=DigiKey, Supplier Part Number 1=13-CC0402KRX5R6BB475DKR-ND, Voltage Rating (DC)=10V, Width=500µm